# Altium PCB 2m_DBoard_TX.PcbDoc (part 2 of 2) (continued)
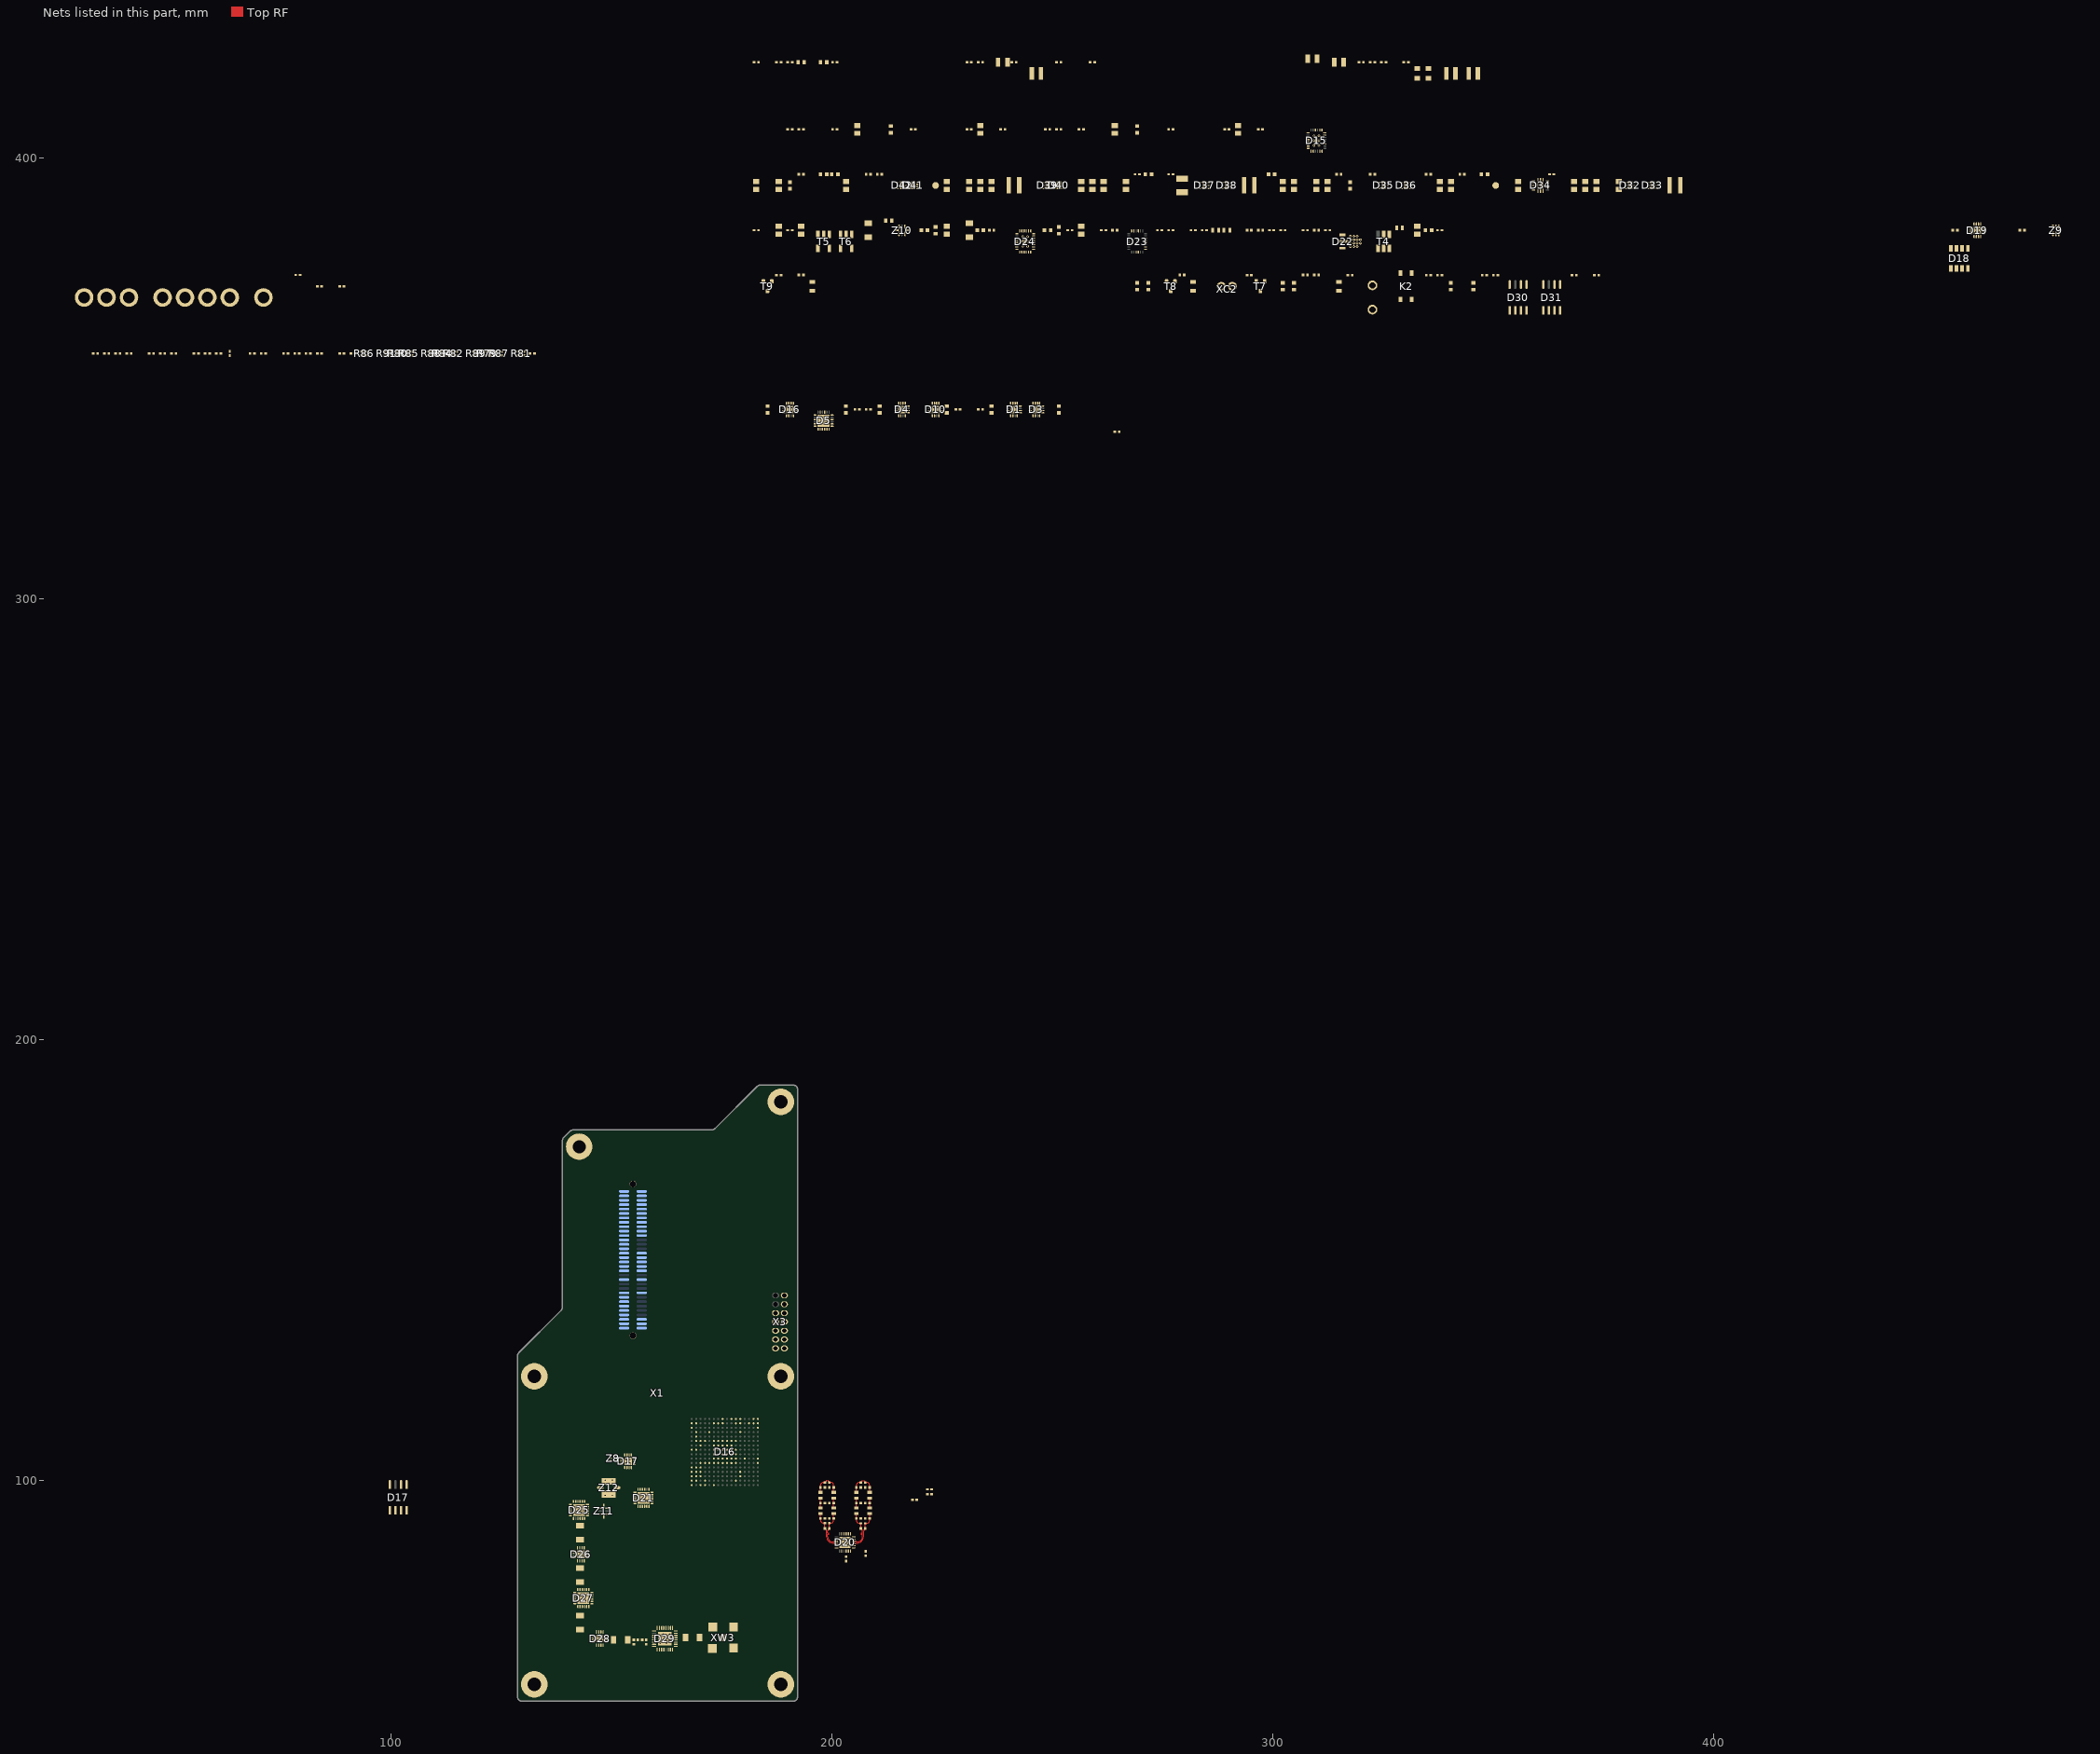
[diagram p8: the nets of this part, all layers, seen from the top]
## Nets (pads, with @x,y where several pads share a name; then routed paths per layer and width w, separated by ;. In a path a pad name is that pad's centre, name@x,y a point inside that pad or via, vN(x,y) a via of type N, cw(c..) or ccw(c..) an arc to the next point about the centre after c; other vN are vias at no path point) (continued)
  other v1: 161.1,63.1 162.5,63.1 147,63.8 147.8,63.8 161.8,63.8 163.2,63.8 161.1,64.5 162.5,64.5 147,64.6 147.8,64.6 161.8,65.2 163.2,65.2 143.1,72.825 144.2,72.825 143.1,73.925 144.2,73.925 142.7,82.9 143.5,82.9 142.7,83.7 143.5,83.7 202.45,85.45 203.55,85.45 202.45,86.55 203.55,86.55 142.125,92.8 143.225,92.8 142.125,93.9 143.225,93.9 156.75,95.55 157.85,95.55 156.75,96.65 157.85,96.65 153.4,104 154.2,104 153.4,104.8 154.2,104.8 197.57,339.81 198.67,339.81 197.57,340.91 198.67,340.91 190.1,342.5 190.9,342.5 215.5,342.5 216.3,342.5 223.12,342.5 223.92,342.5 240.9,342.5 241.7,342.5 245.98,342.5 246.78,342.5 190.1,343.3 190.9,343.3 215.5,343.3 216.3,343.3 223.12,343.3 223.92,343.3 240.9,343.3 241.7,343.3 245.98,343.3 246.78,343.3 317.576,379.857 318.338,379.857 319.1,379.857 317.576,380.619 318.338,380.619 319.1,380.619 319.862,380.619 315.365,381 316.127,381 316.889,381 317.576,381.381 318.338,381.381 319.1,381.381 319.862,381.381 317.576,382.143 318.338,382.143 319.1,382.143 459.34,383.14 460.14,383.14 459.34,383.94 460.14,383.94 215.9,393.2 218.44,393.2 248.92,393.2 251.46,393.2 284.48,393.2 289.56,393.2 325.12,393.2 330.2,393.2 381,393.2 386.08,393.2 215.9,394.2 218.44,394.2 248.92,394.2 251.46,394.2 284.48,394.2 289.56,394.2 325.12,394.2 330.2,394.2 381,394.2 386.08,394.2
  other v3: 148.6,96.7 150.2,96.7 148.6,100.1 150.2,100.1
HFREQ_TX: D21.4 D25.4
HFREQ_UPMXD_TX: D17.2@154.05,105.825 Z12.IN
I2C_A0_RX: D17.1@99.795,93.279 D30.1
I2C_A0_TX: D31.1 X1.22
I2C_A1_RX: D17.2@101.065,93.279 D30.2
I2C_A1_TX: D31.2 X1.20
IFREQ_LBAND_TX: D17.11 D21.24
IFREQ_MBAND_TX: D19.11 D21.2
JTAG_TCK: R85.6 X3.6
JTAG_TDI: R85.8 X3.10
JTAG_TDO: R85.7 X3.8
JTAG_TMS: R85.5 X3.4
LED_RX: T8.1
LED_TX: D16.L16 T9.1
LFREQ_DOWNMXD_TX: D19.2 Z11.IN
LO1_REF_TX: C114.1 D24.27 R44.1
LO1_TX: D18.8 R39.1 R41.1
LO2_REF_TX: C116.1 D23.27 R42.1
LO2_TX_N: C105.2 D20.4
LO2_TX_P: C103.2 D20.3
MISO_LTC5594: R80.5
MISO_LTC6948: R81.5
MISO_RX: D15.7 D24.7
MISO_TX: R79.7 X1.32
MOSI_LTC5594: R80.6
MOSI_LTC6948: R81.6
MOSI_RX: D15.6 D24.6
MOSI_TX: D27.18 R79.6 X1.34
NetC75_1: C75.1 D20.16
NetC75_2: C75.2 D21.22
NetC76_1: C76.1 L23.2 L24.1 | length 2.2
  Top RF w0.17: L24.1@197.425,93.85 C76.1@197.425,94.95 L23.2@197.425,96.05
NetC80_2: C80.2 L25.2 L26.1 | length 2.2
  Top RF w0.17: L26.1@200.425,93.85 C80.2@200.425,94.95 L25.2@200.425,96.05
NetC86_1: C86.1 L27.2 L28.1 | length 2.2
  Top RF w0.17: L28.1@208.575,93.838 C86.1@208.575,94.95 L27.2@208.575,96.05
NetC90_2: C90.2 L29.2 L30.1 | length 2.2
  Top RF w0.17: L30.1@205.575,93.838 C90.2@205.575,94.95 L29.2@205.575,96.05
NetC95_1: C95.1 D22.3 L31.1
NetC95_2: C95.2 R39.2 R40.1
NetC96_1: C96.1 C99.2 T4.3
NetC96_2: C96.2 D22.1
NetC102_1: C102.1 T4.2
NetC103_1: C103.1 D23.12 L33.1
NetC104_1: C104.1 D23.28 R42.2
NetC105_1: C105.1 D23.11 L32.1
NetC106_2: C106.2 D23.16 D23.18 D23.19 D23.20
NetC107_2: C107.2 R43.2
NetC108_2: C108.2 D23.15 D23.25 R43.1
NetC109_1: C109.1 D24.28 R44.2
NetC110_2: C110.2 D24.16 D24.18 D24.19 D24.20
NetC111_2: C111.2 R45.2
NetC112_2: C112.2 D24.15 D24.25 R45.1
NetC113_1: C113.1 T5.1
NetC114_2: C114.2 T6.1
NetC115_1: C115.1 T5.3
NetC116_2: C116.2 T6.3
NetC119_1: C119.1 D26.3
NetC119_2: C119.2 D25.22
NetC120_1: C120.1 D27.5
NetC120_2: C120.2 D26.10 L40.1
NetC121_1: C121.1 D28.3
NetC121_2: C121.2 D27.14
NetC122_1: C122.1 R48.2 R49.1
NetC122_2: C122.2 D28.10 L41.1
NetC126_1: C126.1 XW3.S
NetC126_2: C126.2 D29.21 L43.1
NetC127_1: C127.1 D29.30
NetC128_1: C128.1 C130.2 D29.29
NetC129_1: C129.1 C131.2 C132.2 D29.15
NetC137_2: C137.2 C138.2 D15.24 R53.1
NetC142_1: C142.1 D15.14
NetC153_2: C153.2 C154.2 D24.24 R55.1
NetC158_1: C158.1 D24.14
NetC182_1: C182.1 D34.13
NetC182_2: C182.2 D34.7 L37.2
NetC184_1: C184.1 D34.10
NetC191_2: C191.2 R75.1
NetC205_1: C205.1@197.42,396.24 D41.1 D42.1 R77.2
NetC207_1: C207.1@182.88,392.811 D41.7
NetC207_2: C207.2@182.88,394.589 D41.8
NetC208_1: C208.1@187.96,392.811 D41.3
NetC210_2: C210.2@323.08,421.64 L35.2 R46.2
NetC211_2: C211.2@330.7,421.64 L36.2 R47.2
NetC212_2: C212.2@241.8,421.64 L42.2 L43.2
NetD1_13: D1.13 R56.1 R57.2
NetD4_13: D4.13 R58.1 R59.2
NetD16_13: D16.13 R60.1 R61.2
NetD16_A8: D16.A8 R91.3
NetD16_A10: D16.A10 R85.2
NetD16_A11: D16.A11 R88.1
NetD16_A12: D16.A12 R88.3
NetD16_A15: D16.A15 R86.6
NetD16_A16: D16.A16 R86.8
NetD16_B1: D16.B1 R80.4
NetD16_B2: D16.B2 R80.3
NetD16_B7: D16.B7 R91.2
NetD16_B8: D16.B8 R91.4
NetD16_B11: D16.B11 R88.2
NetD16_B12: D16.B12 R88.4
NetD16_B14: D16.B14 R86.5
NetD16_B15: D16.B15 R86.7
NetD16_C1: D16.C1 R80.2@101.35,355.15
NetD16_D2: D16.D2 R89.3
NetD16_E2: D16.E2 R89.2
NetD16_F2: D16.F2 R87.4
NetD16_F3: D16.F3 R89.1
NetD16_G3: D16.G3 R87.3
NetD16_H1: D16.H1 R87.2
NetD16_H2: D16.H2 R87.1
NetD16_L3: D16.L3 R84.2
NetD16_L4: D16.L4 R84.3
NetD16_L5: D16.L5 R84.4
NetD16_M1: D16.M1 R84.1
NetD16_M2: D16.M2 R79.1@121.17,355.15
NetD16_M3: D16.M3 R90.1
NetD16_N1: D16.N1 R82.3
NetD16_N2: D16.N2 R82.4
NetD16_N3: D16.N3 R82.2
NetD16_N12: D16.N12 R85.4
NetD16_P1: D16.P1 R82.1
NetD16_P2: D16.P2 R79.4
NetD16_P12: D16.P12 R85.3
NetD16_R1: D16.R1 R79.3
NetD16_R2: D16.R2 R79.2@121.67,355.15
NetD16_R4: D16.R4 R81.2
NetD16_R11: D16.R11 R85.1
NetD16_T1: D16.T1 R81.4
NetD16_T3: D16.T3 R81.3
NetD16_T4: D16.T4 R81.1
NetD17_7: D17.7@152.375,104.15 Z9.4
NetD17_13: D17.13 R62.1 R63.2
NetD18_2: D18.2 Z9.2
NetD18_4: D18.4 Z8.2
NetD19_7: D19.7 Z8.6
NetD19_13: D19.13 R66.1 R67.2
NetD25_7: D25.7 R69.1 R70.2
NetD27_3: D27.3 R51.2
NetD34_1: D34.1 R73.2
NetD34_3: D34.3 R74.2
NetD34_4: D34.4 R75.2
NetD34_5: D34.5 R72.1 R76.2
NetD41_5: D41.5 R78.1 R80.1@192.532,396.24
NetD41_6: D41.6 R77.1 R79.2@190.5,394.462
NetH1_1: H1.1 R65.2
NetH2_1: H2.1 R68.2
NetH3_1: H3.1 R71.1
NetK2_1: K2.1 R64.1
NetK2_3: K2.3 XC1.1
NetK2_4: K2.4 XC1.2
NetL40_2: L40.2 R46.1
NetL41_2: L41.2 R47.1
NetR31_2: R31.2 Z8.4
NetR32_2: R32.2 Z9.6
NetR65_1: R65.1 T7.3
NetR68_1: R68.1 T8.3
NetR71_2: R71.2 T9.3
NetT5_6: T5.6 Z10.IN
NetT6_6: T6.6 Z10.OUT
PLL1_RX_CS: D24.4
PLL1_RX_MUTE: D24.9
PLL1_RX_STAT: D24.3
PLL2_RX_CS: D15.4
PLL2_RX_STAT: C175.1 D15.3 T7.1
QMOD_DSOP: D20.1
RCV_PATH_CTRL1_RX: D1.14
RCV_PATH_CTRL2_RX: D4.14
RCV_PATH_CTRL2V_RX: D25.10
RCV_PATH_CTRL3_RX: D16.14
RCV_PATH_CTRL3V_RX: D25.11
RCV_PATH_CTRL4_RX: D17.14
REF_FREQ_TX_N: C115.2 X1.14
REF_FREQ_TX_P: C113.2 X1.12
REF_LO_CTRL_RX: D19.14
RF_Fwd_Vout: C?.2@89.4,370.84 X1.60
RF_PREAMP_TX: D29.5 R48.1 R50.1
RFREQ_LBAND_TX: D25.24 Z11.OUT
RFREQ_MBAND_TX: D25.2 Z12.OUT
SCL_RX: D17.6@102.335,99.121 D30.6
SCL_TX: D31.6 X1.16
SCLK_AD7922: R86.2
SCLK_AD7922_2: R88.6
SCLK_LTC5594: R80.7
SCLK_LTC6948: R81.7
SCLK_RX: D15.5 D24.5
SCLK_TX: D27.17 R79.8 X1.30
SDA_RX: D17.5@103.605,99.121 D30.5
SDA_TX: D31.5 X1.18
SDI_AD7922: R86.1
SDI_AD7922_2: R88.5
SDO_AD7922: R86.4
SDO_AD7922_2: R88.8
SEN_AD7922: R86.3
SEN_AD7922_2: R88.7
SEN_LTC5594: D16.B6
SEN_TX: R79.5 X1.36
STAT_LTC6948: D16.T6
TMT_PATH_CTRL1_TX: D3.14
TMT_PATH_CTRL2_TX: D10.14
TMT_PATH_CTRL2V_TX: D5.10 D21.10
TMT_PATH_CTRL3V_TX: D5.11 D21.11
TPS_EN: D16.K16
TPS_EN_TX: D34.11
TX_IOTA_P: X1.59
TX_IOUTA_N: C88.2 L29.1 R38.2 X1.61 | length 3.7
  Top RF w0.115: C88.2@206.575,99.6 206.575,99.75 ccw(c206.575,100.12) 206.945,100.12
  Top RF w0.17: R38.2@205.567,98.5 R38.2@205.575,98.5 ; L29.1@205.575,97.35 R38.2@205.575,98.5 ; C88.2@206.575,99.6 206.25,99.6 ccw(c206.25,98.925) 205.575,98.925 R38.2@205.575,98.5
TX_IOUTA_P: C88.1 L27.1 R36.1 | length 3.6
  Top RF w0.115: 207.205,100.12 ccw(c207.575,100.12) C88.1@207.575,99.75
  Top RF w0.17: C88.1@207.575,99.6 207.9,99.6 cw(c207.9,98.925) 208.575,98.925 208.575,98.5 R36.1@208.583,98.5 208.583,97.35 L27.1@208.575,97.35
TX_IOUTB_N: C78.2 L25.1 R35.2 X1.49 | length 3.6
  Top RF w0.115: 199.055,100.12 ccw(c199.425,100.12) C78.2@199.425,99.75
  Top RF w0.17: C78.2@199.425,99.6 199.75,99.6 cw(c199.75,98.925) 200.425,98.925 200.425,98.5 R35.2@200.433,98.5 200.433,97.35 L25.1@200.425,97.35
TX_IOUTB_P: C78.1 L23.1 R33.1 X1.51 | length 3.7
  Top RF w0.115: C78.1@198.425,99.6 198.425,99.75 ccw(c198.425,100.12) 198.795,100.12
  Top RF w0.17: L23.1@197.425,97.35 197.417,97.35 R33.1@197.417,98.5 197.425,98.5 197.425,98.925 cw(c198.1,98.925) 198.1,99.6 C78.1@198.425,99.6
pads on no net: D1.2 D1.7 D1.11 D3.2 D3.7 D3.11 D4.2 D4.7 D4.11 D5.2 D5.4 D5.15 D5.17 D5.19 D5.20 D5.22 D5.24 D10.2 D10.7 D10.11 D15.2 D15.11 D15.12 D15.15 D15.16 D15.18 D15.19 D15.20 D15.25 D15.27 D15.28 D16.2 D16.7 D16.11 D16.A1 D16.A2 D16.A3 D16.A4 D16.A5 D16.A6 D16.A7 D16.A9 D16.A13 D16.A14 D16.B3 D16.B4 D16.B5 D16.B9 D16.B10 D16.B13 D16.C2 D16.C3 D16.C4 D16.C5 D16.C6 D16.C7 D16.C8 D16.C9 D16.C10 D16.C11 D16.C12 D16.C13 D16.C14 D16.C15 D16.D1 D16.D3 D16.D4 D16.D6 D16.D7 D16.D8 D16.D9 D16.D10 D16.D11 D16.D13 D16.D14 D16.D15 D16.D16 D16.E1 D16.E3 D16.E4 D16.E5 D16.E6 D16.E7 D16.E8 D16.E9 D16.E10 D16.E11 D16.E12 D16.E13 D16.E14 D16.E15 D16.E16 D16.F1 D16.F5 D16.F12 D16.F13 D16.F14 D16.F15 D16.F16 D16.G1 D16.G2 D16.G4 D16.G5 D16.G11 D16.G12 D16.G13 D16.G14 D16.G15 D16.G16 D16.H3 D16.H4 D16.H5 D16.H12 D16.H13 D16.H14 D16.H15 D16.H16 D16.J1 D16.J2 D16.J3 D16.J4 D16.J5 D16.J12 D16.J13 D16.J14 D16.J15 D16.J16 D16.K1 D16.K2 D16.K3 D16.K4 D16.K5 D16.K12 D16.K14 D16.K15 D16.L1 D16.L2 D16.L12 D16.L13 D16.L14 D16.L15 D16.M4 D16.M5 D16.M6 D16.M7 D16.M8 D16.M9 D16.M10 D16.M11 D16.M12 D16.M13 D16.M14 D16.M15 D16.M16 D16.N4 D16.N5 D16.N6 D16.N7 D16.N8 D16.N9 D16.N10 D16.N11 D16.N13 D16.N14 D16.N15 D16.N16 D16.P4 D16.P5 D16.P6 D16.P7 D16.P8 D16.P9 D16.P10 D16.P11 D16.P13 D16.P14 D16.P15 D16.P16 D16.R3 D16.R5 D16.R6 D16.R7 D16.R8 D16.R9 D16.R10 D16.R12 D16.R13 D16.R14 D16.R15 D16.R16 D16.T2 D16.T5 D16.T7 D16.T8 D16.T9 D16.T10 D16.T11 D16.T12 D16.T13 D16.T14 D16.T15 D16.T16 D17.7@101.065,99.121 D20.6 D20.7 D20.13 D20.15 D21.20 D23.1 D23.2 D23.3 D23.4 D23.5 D23.6 D23.7 D23.8 D23.9 D23.10 D23.13 D23.14 D23.17 D23.21 D23.22 D23.23 D23.24 D23.26 D23.29 D24.2 D25.20 D29.2 D29.13 D30.7 D31.7 D34.9 R80.1@100.85,355.15 R80.8 R89.4 R89.5 R91.1 R91.8 T4.1 X1.24 X1.26 X1.28 X1.39 X1.40 X1.43 X1.44 X1.45 X1.46 X1.50 X1.52 X1.54 X1.56 X1.58 X3.12 X3.14 XC2.0 Z10.0 Z11.0
copper on no net: | length 253.5
  Top RF w0.115: 209.05,64.2 cw(c209.05,64.03) 209.22,64.03 209.22,63.823 ccw(c210.013,63.823) 210.013,63.03 210.842,63.03 ccw(c210.842,63.948) 211.76,63.948 211.76,64.37 cw(c212.91,64.37) 212.91,65.52 213.855,65.52 cw(c213.855,65.46) 213.915,65.46 ccw(c213.975,65.46) 213.975,65.4 214.475,65.4 ; 209.05,68.6 ccw(c209.05,68.77) 209.22,68.77 209.22,68.977 cw(c210.013,68.977) 210.013,69.77 210.842,69.77 cw(c210.842,68.852) 211.76,68.852 211.76,68.43 ccw(c212.91,68.43) 212.91,67.28 213.855,67.28 ccw(c213.855,67.34) 213.915,67.34 cw(c213.975,67.34) 213.975,67.4 214.475,67.4 ; 209.65,64.2 ccw(c209.65,64.03) 209.48,64.03 209.48,63.825 ccw(c210.015,63.825) 209.917,63.299 ; 209.65,68.6 cw(c209.65,68.77) 209.48,68.77 209.48,68.975 cw(c210.015,68.975) 209.917,69.501 cw(c210.015,68.975) 209.919,69.501 cw(c210.015,68.975) 209.922,69.502 cw(c210.015,68.975) 209.979,69.509 210.015,69.51 210.214,69.51 cw(c210.214,69.392) 210.332,69.392 210.332,69.322 ccw(c210.449,69.322) 210.567,69.322 210.567,69.392 cw(c210.684,69.392) 210.684,69.51 210.84,69.51 210.846,69.51 cw(c210.84,68.85) 210.903,69.507 cw(c210.84,68.85) 211.5,68.85 211.5,68.43 ccw(c212.91,68.43) 212.91,67.02 213.855,67.02 cw(c213.855,66.96) 213.915,66.96 ccw(c213.975,66.96) 213.975,66.9 214.475,66.9 ; 209.922,63.298 ccw(c210.015,63.825) 209.979,63.291 210.015,63.29 210.214,63.29 ccw(c210.214,63.408) 210.332,63.408 210.332,63.478 cw(c210.449,63.478) 210.567,63.478 210.567,63.408 ccw(c210.684,63.408) 210.684,63.29 210.84,63.29 210.846,63.29 ccw(c210.84,63.95) 210.903,63.293 ccw(c210.84,63.95) 211.5,63.95 211.5,64.37 cw(c212.91,64.37) 212.91,65.78 213.855,65.78 ccw(c213.855,65.84) 213.915,65.84 cw(c213.975,65.84) 213.975,65.9 214.475,65.9 ; 211.85,71.65 cw(c211.85,71.28) 212.22,71.28 212.22,69.94 ccw(c213.64,69.94) 213.64,68.52 213.855,68.52 cw(c213.855,68.46) 213.915,68.46 ccw(c213.975,68.46) 213.975,68.4 214.475,68.4 ; 211.85,80.65 ccw(c211.85,81.02) 212.22,81.02 212.22,82.159 cw(c215.016,82.159) 215.016,84.955 215.166,84.955 215.693,84.955 cw(c215.693,84.568) 216.081,84.568 216.081,84.153 ccw(c216.208,84.153) 216.208,84.026 ccw(c216.208,84.153) 216.336,84.153 216.336,84.568 cw(c216.723,84.568) 216.723,84.955 216.911,84.955 218.38,84.955 ccw(c218.38,85.325) v2(218.75,85.325) ; 212.85,71.65 ccw(c212.85,71.28) 212.48,71.28 212.48,71.086 212.48,70.836 ccw(c212.598,70.836) 212.598,70.718 212.667,70.718 cw(c212.667,70.601) 212.667,70.483 212.598,70.483 ccw(c212.598,70.366) 212.48,70.366 212.48,70.073 212.48,69.94 ccw(c213.64,69.94) 213.64,68.78 213.855,68.78 ccw(c213.855,68.84) 213.915,68.84 cw(c213.975,68.84) 213.975,68.9 214.475,68.9 ; 212.85,80.65 cw(c212.85,81.02) 212.48,81.02 212.48,82.155 cw(c215.02,82.155) 215.02,84.695 215.166,84.695 215.693,84.695 cw(c215.693,84.568) 215.821,84.568 215.821,84.153 ccw(c216.208,84.153) 216.208,83.766 ccw(c216.208,84.153) 216.596,84.153 216.596,84.568 cw(c216.723,84.568) 216.723,84.695 216.911,84.695 217.203,84.695 cw(c217.203,84.577) 217.321,84.577 217.321,84.507 ccw(c217.438,84.507) 217.556,84.507 217.556,84.577 cw(c217.673,84.577) 217.673,84.695 217.94,84.695 218.38,84.695 cw(c218.38,84.325) v2(218.75,84.325) ; v2(218.75,89.325) cw(c219.12,89.325) 219.12,89.695 cw(c219.12,87.595) 221.22,87.595 221.22,82.612 221.22,82.419 cw(c221.103,82.419) 221.103,82.301 221.012,82.301 ccw(c221.012,82.184) 221.012,82.066 221.103,82.066 cw(c221.103,81.949) 221.22,81.949 221.22,81.891 221.22,81.02 cw(c220.85,81.02) 220.85,80.65 ; v2(218.75,90.325) ccw(c219.12,90.325) 219.12,89.955 cw(c219.12,87.595) 221.48,87.595 221.48,81.02 ccw(c221.85,81.02) 221.85,80.65 ; 219.225,65.4 219.725,65.4 ccw(c219.725,65.46) 219.785,65.46 cw(c219.845,65.46) 219.845,65.52 220.79,65.52 cw(c220.79,64.37) 221.94,64.37 221.94,63.948 ccw(c222.858,63.948) 222.858,63.03 223.687,63.03 ccw(c223.687,63.823) 224.48,63.823 224.48,64.03 cw(c224.65,64.03) 224.65,64.2 ; 219.225,65.9 219.725,65.9 cw(c219.725,65.84) 219.785,65.84 ccw(c219.845,65.84) 219.845,65.78 220.79,65.78 cw(c220.79,64.37) 222.2,64.37 222.2,63.95 ccw(c222.86,63.95) 222.797,63.293 ccw(c222.86,63.95) 222.854,63.29 222.86,63.29 223.016,63.29 ccw(c223.016,63.408) 223.133,63.408 223.133,63.478 cw(c223.251,63.478) 223.368,63.478 223.368,63.408 ccw(c223.486,63.408) 223.486,63.29 223.685,63.29 223.721,63.291 ccw(c223.685,63.825) 223.778,63.298 ; 219.225,66.9 219.725,66.9 ccw(c219.725,66.96) 219.785,66.96 cw(c219.845,66.96) 219.845,67.02 220.79,67.02 ccw(c220.79,68.43) 222.2,68.43 222.2,68.85 cw(c222.86,68.85) 222.797,69.507 cw(c222.86,68.85) 222.854,69.51 222.86,69.51 223.016,69.51 cw(c223.016,69.392) 223.133,69.392 223.133,69.322 ccw(c223.251,69.322) 223.368,69.322 223.368,69.392 cw(c223.486,69.392) 223.486,69.51 223.685,69.51 223.721,69.509 cw(c223.685,68.975) 223.778,69.502 ; 219.225,67.4 219.725,67.4 cw(c219.725,67.34) 219.785,67.34 ccw(c219.845,67.34) 219.845,67.28 220.79,67.28 ccw(c220.79,68.43) 221.94,68.43 221.94,68.852 cw(c222.858,68.852) 222.858,69.77 223.687,69.77 cw(c223.687,68.977) 224.48,68.977 224.48,68.77 ccw(c224.65,68.77) 224.65,68.6 ; 219.225,68.4 219.725,68.4 ccw(c219.725,68.46) 219.785,68.46 cw(c219.845,68.46) 219.845,68.52 220.06,68.52 ccw(c220.06,69.94) 221.48,69.94 221.48,71.28 cw(c221.85,71.28) 221.85,71.65 ; 219.225,68.9 219.725,68.9 cw(c219.725,68.84) 219.785,68.84 ccw(c219.845,68.84) 219.845,68.78 220.06,68.78 ccw(c220.06,69.94) 221.22,69.94 221.22,70.073 221.22,70.366 ccw(c221.102,70.366) 221.102,70.483 221.033,70.483 cw(c221.033,70.601) 221.033,70.718 221.102,70.718 ccw(c221.102,70.836) 221.22,70.836 221.22,71.086 221.22,71.28 ccw(c220.85,71.28) 220.85,71.65 ; 223.783,63.299 ccw(c223.685,63.825) 224.22,63.825 224.22,64.03 ccw(c224.05,64.03) 224.05,64.2 ; 223.783,69.501 cw(c223.685,68.975) 224.22,68.975 224.22,68.77 cw(c224.05,68.77) 224.05,68.6
  Top RF w0.12: v2@218.75,90.284 v2(218.75,90.325)
  Top RF w0.17: 207.8,66.835 207.8,66.9 cw(c208.85,66.9) 208.692,67.938 208.85,67.95 208.85,68.4 cw(c209.05,68.4) 209.05,68.6 ; 208.85,66.95 v2(209.35,66.95) 209.85,66.95 ; 209.05,64.2 cw(c209.05,64.4) 208.85,64.4 208.85,64.85 208.692,64.862 cw(c208.85,65.9) 207.8,65.9 ; 209.65,64.2 ccw(c209.65,64.4) 209.85,64.4 209.85,64.85 210.008,64.862 ccw(c209.85,65.9) 210.9,65.9 ; 209.65,68.6 cw(c209.65,68.4) 209.85,68.4 209.85,67.95 210.008,67.938 cw(c209.85,66.9) 210.9,66.9 210.9,66.835 ; 210.75,74.165 210.75,73 v2(210.75,72.5) ccw(c211.6,72.5) 211.6,71.65 211.85,71.65 ; 210.75,75.035 210.75,76.15 210.75,77.265 ; 210.75,78.135 210.75,79.3 v2(210.75,79.8) cw(c211.6,79.8) 211.6,80.65 211.85,80.65 ; 211.8,73 212.1,73.3 212.35,73.3 ; 211.8,79.3 212.1,79 212.35,79 ; 212.35,74.092 212.35,73.3 ; 212.35,78.208 212.35,79 ; 212.85,71.65 213.1,71.65 ccw(c213.1,72.5) v2(213.95,72.5) 213.95,73 213.95,74.165 ; 212.85,80.65 213.1,80.65 cw(c213.1,79.8) v2(213.95,79.8) 213.95,79.3 213.95,78.135 ; 212.9,73 212.6,73.3 212.35,73.3 ; 212.9,79.3 212.6,79 212.35,79 ; 213.95,75.035 213.95,76.15 213.95,77.265 ; 216.6,62.243 216.6,63.325 216.6,64.775 ; 219.75,74.165 219.75,73 v2(219.75,72.5) ccw(c220.6,72.5) 220.6,71.65 220.85,71.65 ; 219.75,75.035 219.75,76.15 219.75,77.265 ; 219.75,78.135 219.75,79.3 v2(219.75,79.8) cw(c220.6,79.8) 220.6,80.65 220.85,80.65 ; 221.85,71.65 222.1,71.65 ccw(c222.1,72.5) v2(222.95,72.5) 222.95,73 222.95,74.165 ; 221.85,80.65 222.1,80.65 cw(c222.1,79.8) v2(222.95,79.8) 222.95,79.3 222.95,78.135 ; 222.8,65.965 222.8,65.9 ccw(c223.85,65.9) 223.693,64.862 223.85,64.85 223.85,64.4 ccw(c224.05,64.4) 224.05,64.2 ; 222.8,66.835 222.8,66.9 cw(c223.85,66.9) 223.693,67.938 223.85,67.95 223.85,68.4 cw(c224.05,68.4) 224.05,68.6 ; 222.95,75.035 222.95,76.15 222.95,77.265 ; 224.65,64.2 ccw(c224.65,64.4) 224.85,64.4 224.85,64.85 225.008,64.862 ccw(c224.85,65.9) 225.9,65.9 225.9,65.965 ; 224.65,68.6 cw(c224.65,68.4) 224.85,68.4 224.85,67.95 225.008,67.938 cw(c224.85,66.9) 225.9,66.9 225.9,66.835 ; 207.8,65.9 207.8,65.965 207.8,65.9 ; 210.9,65.9 210.9,65.965 210.9,65.9
  Top RF w0.185: 211.75,73 211.8,73 ; 211.75,79.3 211.8,79.3 ; 212.9,73 212.95,73 ; 212.9,79.3 212.95,79.3 ; v2(214.85,61.875) 214.85,62.417 214.858,62.425 214.85,62.433 214.85,63.325 214.85,63.675 214.957,63.782 215.263,63.782 215.6,64.12 215.6,64.775 ; v2(215.595,70.162) 215.598,70.16 215.598,69.527 215.6,69.525 ; v2(216.095,70.135) 216.1,70.135 216.1,69.525 ; 216.6,69.525 v2(216.6,70.15) ; 217.1,69.525 v2(217.1,70.15) ; 217.6,69.525 v2(217.6,70.15) ; 218.6,69.525 v2(218.6,70.15) ; 220.75,73 220.8,73 221.1,73.3 221.35,73.3 ; 220.75,79.3 220.8,79.3 221.1,79 221.35,79 ; 221.35,74.092 221.35,73.3 ; 221.35,78.208 221.35,79 ; 221.95,73 221.9,73 221.6,73.3 221.35,73.3 ; 221.95,79.3 221.9,79.3 221.6,79 221.35,79 ; 223.85,66.95 v2(224.35,66.95) 224.85,66.95
  Top RF w0.25: 215.1,69.525 215.1,70.956 215.35,71.206 215.35,71.256 215.475,71.381 215.525,71.381 ; 217.6,64.775 217.6,63.425 217.675,63.35 217.675,62.233 ; v2(218.1,64.175) 218.1,64.775 ; 218.1,69.525 218.1,70.525
  Top RF w0.254: 214.475,67.9 216.1,67.9 216.85,67.15 ; 215.1,64.775 215.1,65.4 215.75,66.05 216.1,66.4 ; v2(216.1,64.175) 216.1,64.775 216.1,66.4 ; 217.1,64.775 217.1,66.9 ; 218.6,64.775 218.6,65.4 217.1,66.9 ; 216.1,66.4 216.85,67.15 ; 216.85,67.15 217.1,66.9
  Top RF w0.5: v1(212.625,62.425) v1(213.225,62.425) 213.842,62.425 ; 215.55,71.375 v1(215.55,71.95) v1(215.55,72.55) ; 218.1,70.525 218.1,72.338 218.1,73.615 217.875,73.84 218.081,74.046 218.081,74.856 v1(218.1,74.875) v1(218.1,75.475)
  Signal 1 w0.12: 215.385,69.995 215.552,70.162 v2(215.595,70.162) ; 215.737,69.725 216.095,70.083 v2(216.095,70.135) ; 216.187,69.455 216.593,69.86 216.593,70.143 v2(216.6,70.15)
  Bottom Layer w0.115: 216.925,70.85 cw(c217.698,70.85) 217.151,71.396 ccw(c216.985,71.562) 217.22,71.562 217.22,72.168 ; 217.48,72.168 217.48,71.562 ccw(c217.715,71.562) 217.549,71.396 cw(c217.002,70.85) 217.775,70.85
  Bottom Layer w0.17: 208.892,66.95 v2(209.35,66.95) ; 210.742,73 210.75,73 v2(210.75,72.5) ; 210.742,79.3 v2@210.742,79.8 ; 211.8,73 212.1,73.3 212.35,73.3 ; 211.8,79.3 212.1,79 212.35,79 ; 212.35,74.092 212.35,73.3 ; 212.35,78.208 212.35,79 ; 212.9,73 212.6,73.3 212.35,73.3 ; 212.9,79.3 212.6,79 212.35,79 ; v2@213.958,72.5 213.958,73 ; 213.958,79.3 v2@213.958,79.8 ; 216.925,70.85 cw(c216.925,70.675) 217.1,70.675 v2(217.1,70.15) ; v2(217.6,70.15) 217.6,70.675 cw(c217.775,70.675) 217.775,70.85 ; v2@219.742,72.5 219.742,73 ; 220.8,73 221.1,73.3 221.35,73.3 ; 220.8,79.3 221.1,79 221.35,79 ; 221.35,74.092 221.35,73.3 ; 221.35,78.208 221.35,79 ; 221.9,73 221.6,73.3 221.35,73.3 ; 221.9,79.3 221.6,79 221.35,79 ; v2(222.95,72.5) 222.95,73
  Bottom Layer w0.185: 208.85,66.908 cw(c208.892,66.908) 208.892,66.95 ; v2@210.742,79.8 v2(210.75,79.8) ; 211.75,73 211.8,73 ; 211.75,79.3 211.8,79.3 ; 212.9,73 212.95,73 ; 212.9,79.3 212.95,79.3 ; v2(213.95,72.5) v2@213.958,72.5 ; v2(213.95,79.8) v2@213.958,79.8 ; v2@218.711,89.309 ccw(c218.711,89.364) v2(218.75,89.325) ; v2@218.711,90.309 ccw(c218.711,90.364) v2(218.75,90.325) ; v2@218.75,84.309 v2(218.75,84.325) ; v2@218.75,85.309 v2(218.75,85.325) ; v2@219.742,72.5 v2(219.75,72.5) ; 219.742,79.3 219.742,79.8 v2(219.75,79.8) ; 220.75,73 220.8,73 ; 220.75,79.3 220.8,79.3 ; 221.9,73 221.95,73 ; 221.9,79.3 221.95,79.3 ; v2(222.95,79.8) 222.958,79.8 222.958,79.3 ; v2(224.35,66.95) 224.808,66.95 cw(c224.808,66.908) 224.85,66.908
  Bottom Layer w0.6: v1(212.625,62.425) v1(213.225,62.425) ; v1(215.55,71.95) v1(215.55,72.55) ; v1(218.1,74.875) v1(218.1,75.475)
  other v1: 208.114,64.217 225.586,64.217 210.6,64.225 223.1,64.225 212.45,64.675 221.25,64.675 209.35,65.85 224.35,65.85 211.75,66.4 226.75,66.4 206.941,66.408 213.3,66.425 220.4,66.425 221.941,66.408 212.45,68.175 221.25,68.175 208.114,68.617 225.586,68.617 210.6,68.625 223.1,68.625 211.15,71.075 213.55,71.075 220.15,71.075 222.55,71.075 210,72.225 214.7,72.225 219,72.225 223.7,72.225 212.35,72.275 221.35,72.275 211.5,74.6 213.2,74.6 220.5,74.6 222.2,74.6 209.95,75.325 218.95,75.325 223.75,75.325 221.35,76.15 209.95,76.975 214.75,76.975 218.95,76.975 223.75,76.975 222.2,77.675 211.5,77.7 213.2,77.7 220.5,77.7 212.35,80.025 221.35,80.025 210,80.075 214.7,80.075 219,80.075 223.7,80.075 211.15,81.225 213.55,81.225 220.15,81.225 222.55,81.225 317.576,379.095 318.338,379.095 319.1,379.095 319.862,379.095 319.862,379.857 268.69,379.9 269.79,379.9 268.69,381 269.79,381 268.69,382.1 269.79,382.1 319.862,382.143 317.576,382.905 318.338,382.905 319.1,382.905 319.862,382.905
  other v2: 218.675,63.925 215.1,64.175 217.1,64.175

## Polygon pours and split planes (outlines as drawn)
no net on AGND (split plane): 191.336,189.182 191.428,189.154 191.513,189.109 191.588,189.048 191.649,188.973 191.694,188.888 191.722,188.796 191.731,188.712 191.73,188.7 191.73,51 191.731,50.988 191.722,50.904 191.694,50.812 191.649,50.727 191.588,50.652 191.513,50.591 191.428,50.546 191.336,50.518 191.252,50.509 191.24,50.51 129.74,50.51 129.728,50.509 129.644,50.518 129.552,50.546 129.467,50.591 129.392,50.652 129.331,50.727 129.286,50.812 129.258,50.904 129.249,50.988 129.25,51 129.25,128.305 129.25,128.314 129.256,128.39 129.275,128.472 129.308,128.551 129.352,128.623 129.401,128.681 129.408,128.686 138.954,138.232 139.07,138.362 139.171,138.505 139.256,138.658 139.323,138.819 139.371,138.988 139.401,139.16 139.41,139.335 139.41,177.07 139.41,177.079 139.416,177.155 139.435,177.237 139.468,177.316 139.512,177.388 139.561,177.446 139.568,177.451 140.976,178.859 140.991,178.872 140.997,178.878 141.055,178.928 141.127,178.972 141.205,179.005 141.288,179.024 141.364,179.03 141.372,179.03 172.755,179.03 172.93,179.039 173.102,179.069 173.27,179.117 173.432,179.184 173.585,179.269 173.728,179.37 173.858,179.486 173.858,179.487 183.403,189.031 183.403,189.032 183.409,189.038 183.467,189.088 183.539,189.132 183.618,189.165 183.7,189.184 183.776,189.19 183.785,189.19 191.24,189.19 191.252,189.191
no net on AVDD (split plane): 191.336,189.182 191.428,189.154 191.513,189.109 191.588,189.048 191.649,188.973 191.694,188.888 191.722,188.796 191.731,188.712 191.73,188.7 191.73,51 191.731,50.988 191.722,50.904 191.694,50.812 191.649,50.727 191.588,50.652 191.513,50.591 191.428,50.546 191.336,50.518 191.252,50.509 191.24,50.51 129.74,50.51 129.728,50.509 129.644,50.518 129.552,50.546 129.467,50.591 129.392,50.652 129.331,50.727 129.286,50.812 129.258,50.904 129.249,50.988 129.25,51 129.25,128.305 129.25,128.314 129.256,128.39 129.275,128.472 129.308,128.551 129.352,128.623 129.401,128.681 129.408,128.686 138.954,138.232 139.07,138.362 139.171,138.505 139.256,138.658 139.323,138.819 139.371,138.988 139.401,139.16 139.41,139.335 139.41,177.07 139.41,177.079 139.416,177.155 139.435,177.237 139.468,177.316 139.512,177.388 139.561,177.446 139.568,177.451 140.976,178.859 140.991,178.872 140.997,178.878 141.055,178.928 141.127,178.972 141.205,179.005 141.288,179.024 141.364,179.03 141.372,179.03 172.755,179.03 172.93,179.039 173.102,179.069 173.27,179.117 173.432,179.184 173.585,179.269 173.728,179.37 173.858,179.486 173.858,179.487 183.403,189.031 183.403,189.032 183.409,189.038 183.467,189.088 183.539,189.132 183.618,189.165 183.7,189.184 183.776,189.19 183.785,189.19 191.24,189.19 191.252,189.191
no net on DVDD (split plane): 191.336,189.182 191.428,189.154 191.513,189.109 191.588,189.048 191.649,188.973 191.694,188.888 191.722,188.796 191.731,188.712 191.73,188.7 191.73,51 191.731,50.988 191.722,50.904 191.694,50.812 191.649,50.727 191.588,50.652 191.513,50.591 191.428,50.546 191.336,50.518 191.252,50.509 191.24,50.51 129.74,50.51 129.728,50.509 129.644,50.518 129.552,50.546 129.467,50.591 129.392,50.652 129.331,50.727 129.286,50.812 129.258,50.904 129.249,50.988 129.25,51 129.25,128.305 129.25,128.314 129.256,128.39 129.275,128.472 129.308,128.551 129.352,128.623 129.401,128.681 129.408,128.686 138.954,138.232 139.07,138.362 139.171,138.505 139.256,138.658 139.323,138.819 139.371,138.988 139.401,139.16 139.41,139.335 139.41,177.07 139.41,177.079 139.416,177.155 139.435,177.237 139.468,177.316 139.512,177.388 139.561,177.446 139.568,177.451 140.976,178.859 140.991,178.872 140.997,178.878 141.055,178.928 141.127,178.972 141.205,179.005 141.288,179.024 141.364,179.03 141.372,179.03 172.755,179.03 172.93,179.039 173.102,179.069 173.27,179.117 173.432,179.184 173.585,179.269 173.728,179.37 173.858,179.486 173.858,179.487 183.403,189.031 183.403,189.032 183.409,189.038 183.467,189.088 183.539,189.132 183.618,189.165 183.7,189.184 183.776,189.19 183.785,189.19 191.24,189.19 191.252,189.191
no net on GND 2 (split plane): 191.336,189.182 191.428,189.154 191.513,189.109 191.588,189.048 191.649,188.973 191.694,188.888 191.722,188.796 191.731,188.712 191.73,188.7 191.73,51 191.731,50.988 191.722,50.904 191.694,50.812 191.649,50.727 191.588,50.652 191.513,50.591 191.428,50.546 191.336,50.518 191.252,50.509 191.24,50.51 129.74,50.51 129.728,50.509 129.644,50.518 129.552,50.546 129.467,50.591 129.392,50.652 129.331,50.727 129.286,50.812 129.258,50.904 129.249,50.988 129.25,51 129.25,128.305 129.25,128.314 129.256,128.39 129.275,128.472 129.308,128.551 129.352,128.623 129.401,128.681 129.408,128.686 138.954,138.232 139.07,138.362 139.171,138.505 139.256,138.658 139.323,138.819 139.371,138.988 139.401,139.16 139.41,139.335 139.41,177.07 139.41,177.079 139.416,177.155 139.435,177.237 139.468,177.316 139.512,177.388 139.561,177.446 139.568,177.451 140.976,178.859 140.991,178.872 140.997,178.878 141.055,178.928 141.127,178.972 141.205,179.005 141.288,179.024 141.364,179.03 141.372,179.03 172.755,179.03 172.93,179.039 173.102,179.069 173.27,179.117 173.432,179.184 173.585,179.269 173.728,179.37 173.858,179.486 173.858,179.487 183.403,189.031 183.403,189.032 183.409,189.038 183.467,189.088 183.539,189.132 183.618,189.165 183.7,189.184 183.776,189.19 183.785,189.19 191.24,189.19 191.252,189.191
no net on GND 1 (split plane): 191.336,189.182 191.428,189.154 191.513,189.109 191.588,189.048 191.649,188.973 191.694,188.888 191.722,188.796 191.731,188.712 191.73,188.7 191.73,51 191.731,50.988 191.722,50.904 191.694,50.812 191.649,50.727 191.588,50.652 191.513,50.591 191.428,50.546 191.336,50.518 191.252,50.509 191.24,50.51 129.74,50.51 129.728,50.509 129.644,50.518 129.552,50.546 129.467,50.591 129.392,50.652 129.331,50.727 129.286,50.812 129.258,50.904 129.249,50.988 129.25,51 129.25,128.305 129.25,128.314 129.256,128.39 129.275,128.472 129.308,128.551 129.352,128.623 129.401,128.681 129.408,128.686 138.954,138.232 139.07,138.362 139.171,138.505 139.256,138.658 139.323,138.819 139.371,138.988 139.401,139.16 139.41,139.335 139.41,177.07 139.41,177.079 139.416,177.155 139.435,177.237 139.468,177.316 139.512,177.388 139.561,177.446 139.568,177.451 140.976,178.859 140.991,178.872 140.997,178.878 141.055,178.928 141.127,178.972 141.205,179.005 141.288,179.024 141.364,179.03 141.372,179.03 172.755,179.03 172.93,179.039 173.102,179.069 173.27,179.117 173.432,179.184 173.585,179.269 173.728,179.37 173.858,179.486 173.858,179.487 183.403,189.031 183.403,189.032 183.409,189.038 183.467,189.088 183.539,189.132 183.618,189.165 183.7,189.184 183.776,189.19 183.785,189.19 191.24,189.19 191.252,189.191

## Other copper
DVDD (plane layer: these items are gaps in the copper):
  lines w0.254: 215.25,73.725 215.7,73.725 219.1,70.325

## Silkscreen, mask and mechanical layers (free items; w line width, h text height)
Top Overlay:
  lines w0.2: 283.125,95.655 283.283,95.655 ; 422.65,119.76 422.808,119.76
Bottom Overlay:
  lines w0.25: 188.43,185.89 194.957,185.89
Top Solder:
  drawing of 181 lines, arcs and shapes, not listed
Bottom Solder:
  lines w0.4: 217.1,70.15 217.1,70.675 ; 217.6,70.15 217.6,70.675
  lines w0.55: 216.925,70.85 cw(c217.698,70.85) 217.151,71.396 ccw(c216.985,71.562) 217.22,71.562 ; 217.48,71.562 ccw(c217.715,71.562) 217.549,71.396 cw(c217.002,70.85) 217.775,70.85
  lines w0.8: 217.35,71.692 217.35,72.17
Board Shape:
  lines w0.25: 128.74,51 128.74,128.305 ; 129.047,129.047 138.593,138.592 ; 129.74,50 191.24,50 ; 138.9,139.335 138.9,177.07 ; 139.207,177.812 140.629,179.234 ; 141.372,179.54 172.755,179.54 ; 173.497,179.848 183.042,189.392 ; 183.785,189.7 191.24,189.7 ; 192.24,51 192.24,188.7 ; 138.593,138.592 138.593,138.593 ; 183.042,189.392 183.043,189.392
  lines w0.254: 128.74,51 ccw(c129.74,51) 129.74,50 ; 128.74,128.305 cw(c129.79,128.305) 129.047,129.047 ; 138.593,138.593 ccw(c137.85,139.335) 138.9,139.335 ; 138.9,177.07 cw(c139.95,177.07) 139.207,177.812 ; 140.63,179.232 cw(c141.373,178.49) 141.372,179.54 ; 172.755,179.54 ccw(c172.755,180.59) 173.497,179.848 ; 183.042,189.392 cw(c183.785,188.65) 183.785,189.7 ; 191.24,50 ccw(c191.24,51) 192.24,51 ; 191.24,189.7 cw(c191.24,188.7) 192.24,188.7

## Dimensions
451.49,115.685 to 451.49,45.835 on Mechanical 13
441.33,167.755 to 451.49,115.685 on Mechanical 13

## Text inside footprints (layer, text, board x,y; h text height)
X1: Bottom Overlay "63" at 151.002,134.184 h1.27; Bottom Overlay "1" at 150.802,165.184 h1.27; Bottom Overlay "TX" at 157.932,168.926 h2; Bottom Overlay "2" at 159.402,165.184 h1.27; Bottom Overlay "64" at 159.902,134.184 h1.27